# Altium PCB JTAG-批量下载V06.PcbDoc (part 13 of 13) (continued)
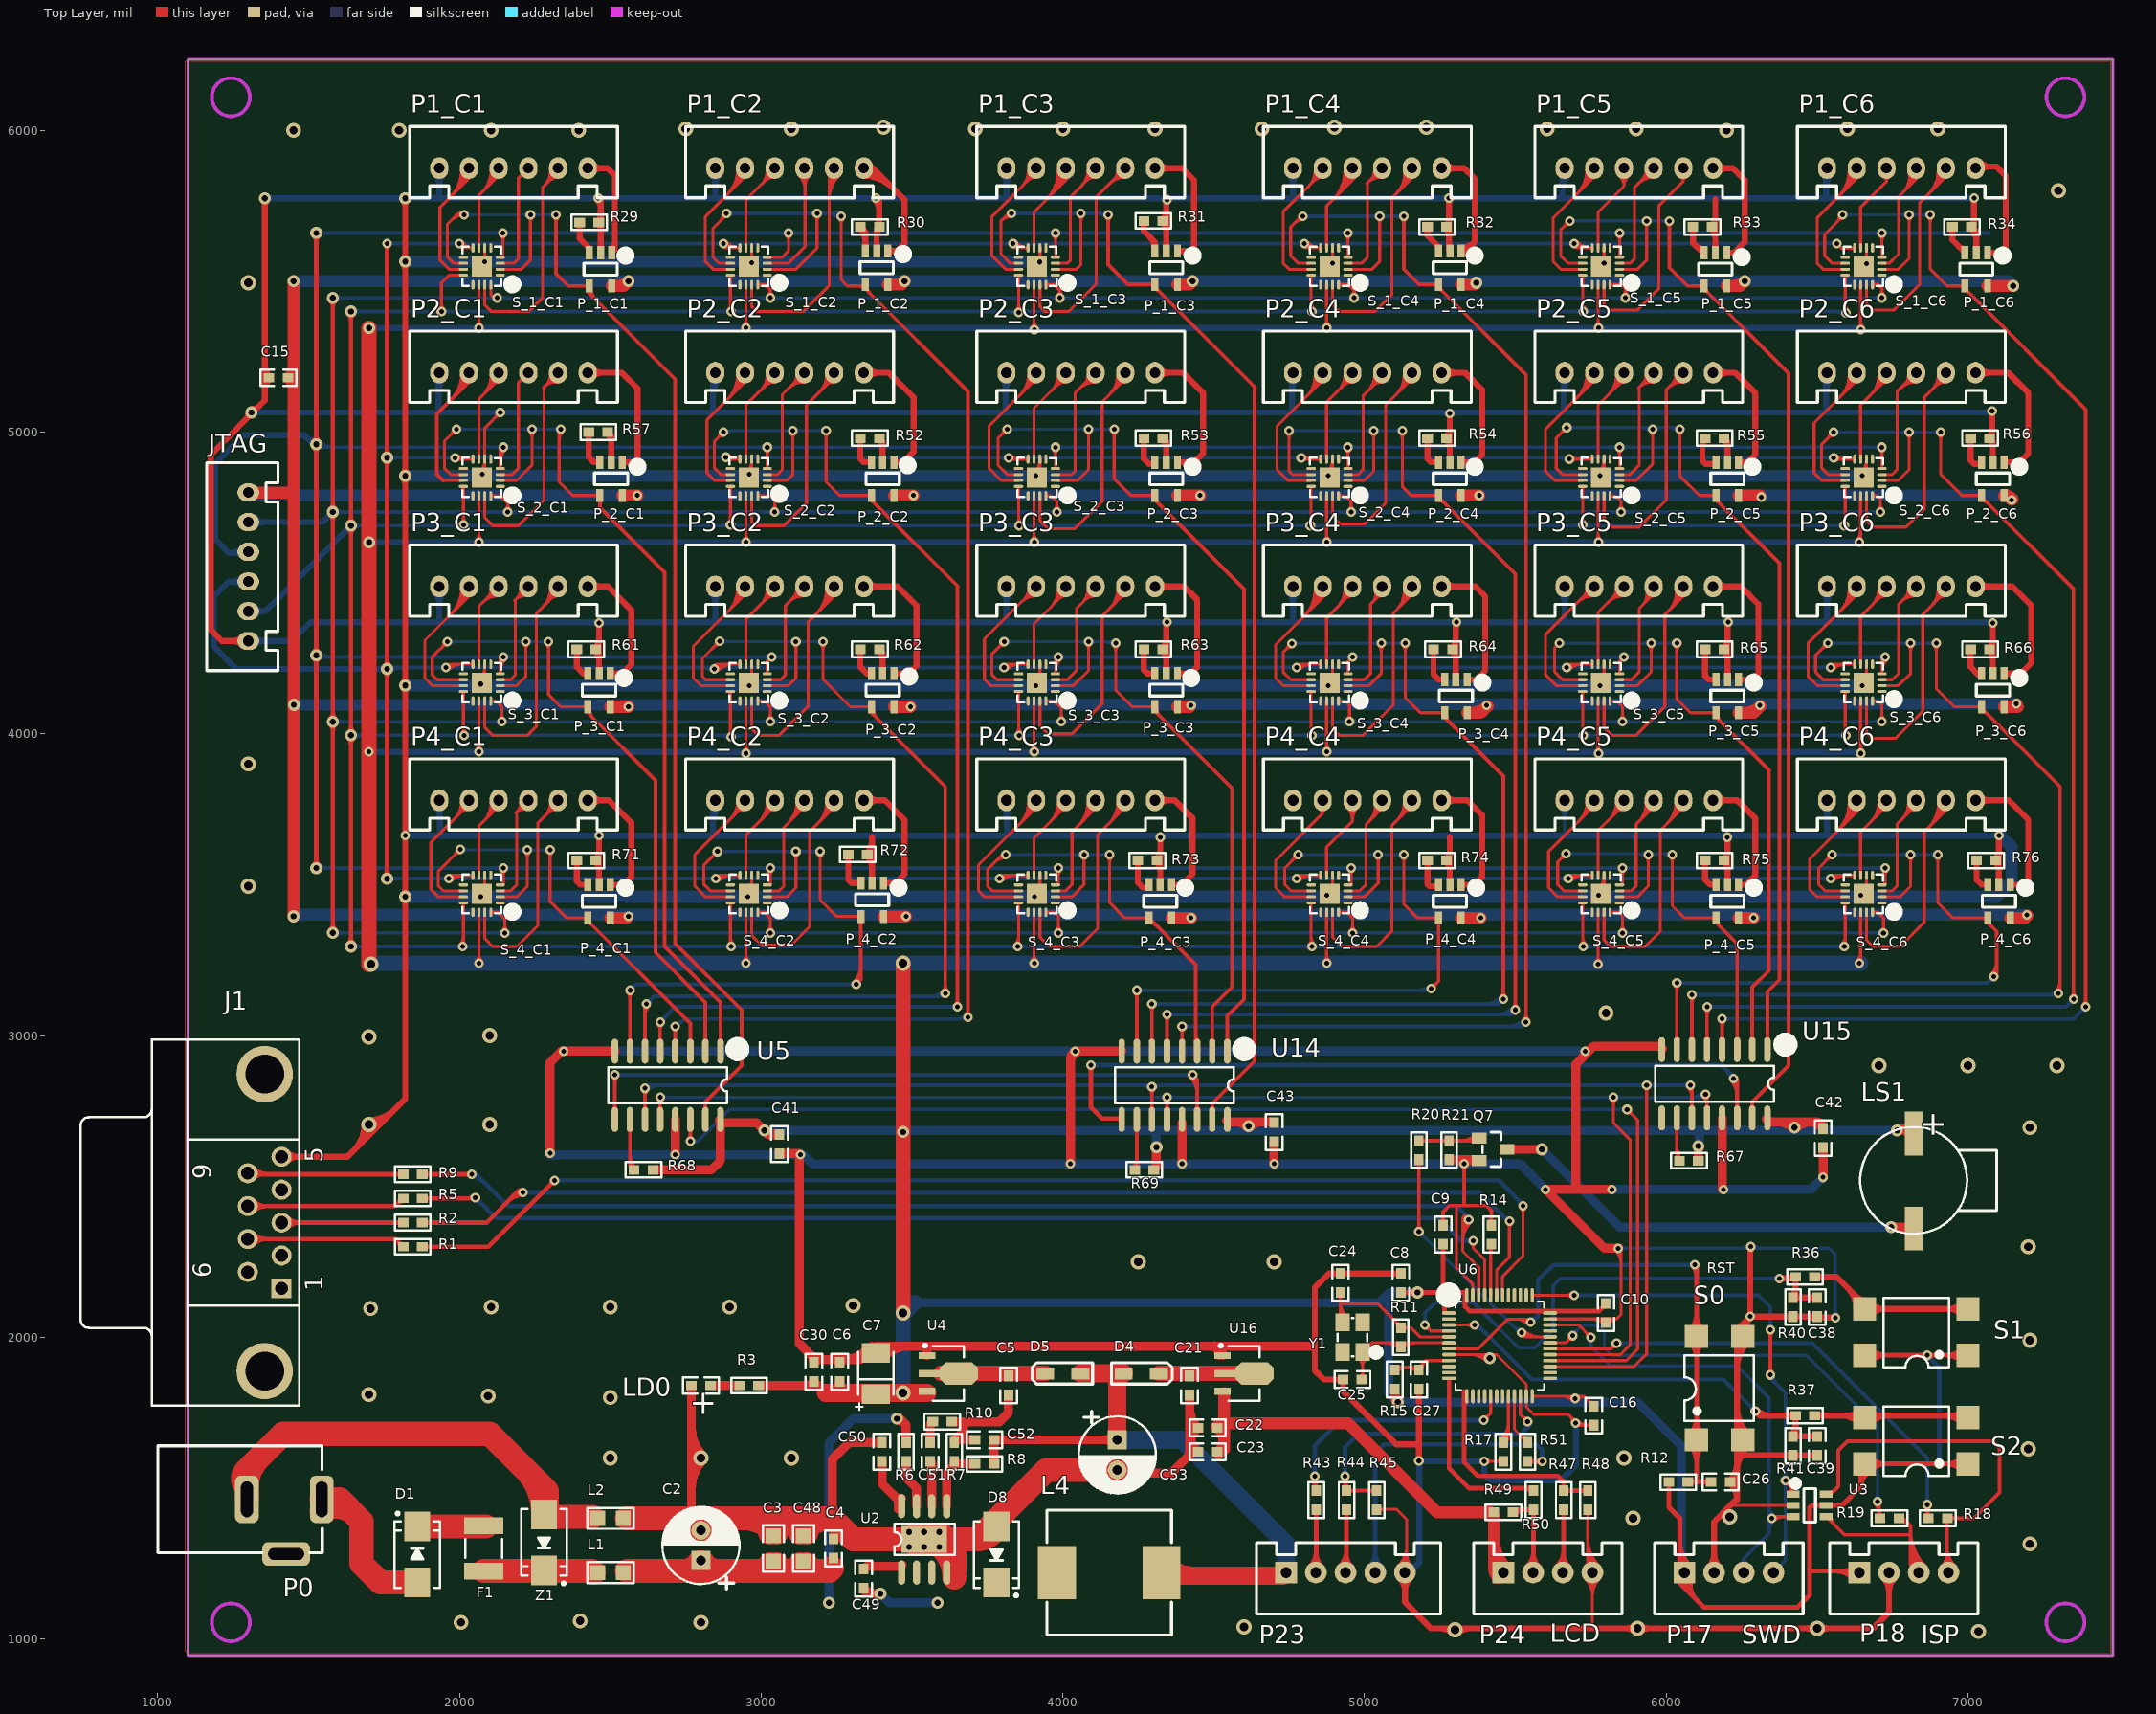
[diagram p0: Top Layer view]
## Nets (pads, with @x,y where several pads share a name; then routed paths per layer and width w, separated by ;. In a path a pad name is that pad's centre, name@x,y a point inside that pad or via, vN(x,y) a via of type N, cw(c..) or ccw(c..) an arc to the next point about the centre after c; other vN are vias at no path point) (continued)
TDO_4_C3: P4_C3.2 S_4_C3.15 | length 1353.8
  Top Layer w10: S_4_C3.15@3923.82,3408.5 3923.82,3326.18 3955,3295 4055,3295 4115,3355 4115,3665 P4_C3.2@4215,3765 ; 4151.91,3701.91 ccw(c4080.29,3773.53) P4_C3.2@4181.57,3773.53 ; 4151.91,3701.91 ccw(c4080.29,3773.53) P4_C3.2@4181.57,3773.53 ; 4151.91,3701.91 ccw(c4080.29,3773.53) P4_C3.2@4181.57,3773.53 ; 4168.98,3718.98 ccw(c4114.43,3773.53) P4_C3.2@4191.57,3773.53 ; 4168.98,3718.98 ccw(c4114.43,3773.53) P4_C3.2@4191.57,3773.53 ; 4168.98,3718.98 ccw(c4114.43,3773.53) P4_C3.2@4191.57,3773.53 ; 4186.05,3736.05 ccw(c4148.57,3773.53) P4_C3.2@4201.57,3773.53 ; 4186.05,3736.05 ccw(c4148.57,3773.53) P4_C3.2@4201.57,3773.53 ; 4186.05,3736.05 ccw(c4148.57,3773.53) P4_C3.2@4201.57,3773.53 ; 4192.84,3742.84 cw(c4206.57,3729.1) P4_C3.2@4206.57,3748.53 ; 4192.84,3742.84 cw(c4206.57,3729.1) P4_C3.2@4206.57,3748.53 ; 4192.84,3742.84 cw(c4206.57,3729.1) P4_C3.2@4206.57,3748.53
TDO_4_C4: P4_C4.2 S_4_C4.15 | length 1302.4
  Top Layer w10: S_4_C4.15@4893.82,3408.5 4893.82,3326.18 4925,3295 5040,3295 5090,3345 5090,3695 P4_C4.2@5165,3770 ; 5105.44,3710.44 ccw(c5042.36,3773.53) P4_C4.2@5131.57,3773.53 ; 5105.44,3710.44 ccw(c5042.36,3773.53) P4_C4.2@5131.57,3773.53 ; 5105.44,3710.44 ccw(c5042.36,3773.53) P4_C4.2@5131.57,3773.53 ; 5122.51,3727.51 ccw(c5076.5,3773.53) P4_C4.2@5141.57,3773.53 ; 5122.51,3727.51 ccw(c5076.5,3773.53) P4_C4.2@5141.57,3773.53 ; 5122.51,3727.51 ccw(c5076.5,3773.53) P4_C4.2@5141.57,3773.53 ; 5134.3,3739.3 cw(c5156.57,3717.03) P4_C4.2@5156.57,3748.53 ; 5134.3,3739.3 cw(c5156.57,3717.03) P4_C4.2@5156.57,3748.53 ; 5134.3,3739.3 cw(c5156.57,3717.03) P4_C4.2@5156.57,3748.53 ; 5139.59,3744.59 ccw(c5110.64,3773.53) P4_C4.2@5151.57,3773.53 ; 5139.59,3744.59 ccw(c5110.64,3773.53) P4_C4.2@5151.57,3773.53 ; 5139.59,3744.59 ccw(c5110.64,3773.53) P4_C4.2@5151.57,3773.53
TDO_4_C5: P4_C5.2 S_4_C5.15 | length 1361.3
  Top Layer w10: S_4_C5.15@5793.82,3408.5 5793.82,3316.18 5815,3295 5930,3295 5980,3345 5980,3680 P4_C5.2@6070,3770 ; 6001.91,3701.91 ccw(c5930.29,3773.53) P4_C5.2@6031.57,3773.53 ; 6001.91,3701.91 ccw(c5930.29,3773.53) P4_C5.2@6031.57,3773.53 ; 6001.91,3701.91 ccw(c5930.29,3773.53) P4_C5.2@6031.57,3773.53 ; 6018.98,3718.98 ccw(c5964.43,3773.53) P4_C5.2@6041.57,3773.53 ; 6018.98,3718.98 ccw(c5964.43,3773.53) P4_C5.2@6041.57,3773.53 ; 6018.98,3718.98 ccw(c5964.43,3773.53) P4_C5.2@6041.57,3773.53 ; 6036.05,3736.05 ccw(c5998.57,3773.53) P4_C5.2@6051.57,3773.53 ; 6036.05,3736.05 ccw(c5998.57,3773.53) P4_C5.2@6051.57,3773.53 ; 6036.05,3736.05 ccw(c5998.57,3773.53) P4_C5.2@6051.57,3773.53 ; 6042.84,3742.84 cw(c6056.57,3729.1) P4_C5.2@6056.57,3748.53 ; 6042.84,3742.84 cw(c6056.57,3729.1) P4_C5.2@6056.57,3748.53 ; 6042.84,3742.84 cw(c6056.57,3729.1) P4_C5.2@6056.57,3748.53
TDO_4_C6: P4_C6.2 S_4_C6.15 | length 1552.9
  Top Layer w10: S_4_C6.15@6663.82,3408.5 6663.82,3316.18 6685,3295 6775,3295 6855,3375 6855,3675 P4_C6.2@6945,3765 ; 6868.48,3688.48 ccw(c6788.37,3768.59) P4_C6.2@6901.59,3772.63 ; 6868.48,3688.48 ccw(c6788.37,3768.59) P4_C6.2@6901.59,3772.63 ; 6868.48,3688.48 ccw(c6788.37,3768.59) P4_C6.2@6901.59,3772.63 ; 6884.72,3704.72 ccw(c6819.74,3769.71) P4_C6.2@6911.58,3772.99 ; 6884.72,3704.72 ccw(c6819.74,3769.71) P4_C6.2@6911.58,3772.99 ; 6884.72,3704.72 ccw(c6819.74,3769.71) P4_C6.2@6911.58,3772.99 ; 6900.97,3720.97 ccw(c6851.11,3770.83) P4_C6.2@6921.58,3773.35 ; 6900.97,3720.97 ccw(c6851.11,3770.83) P4_C6.2@6921.58,3773.35 ; 6900.97,3720.97 ccw(c6851.11,3770.83) P4_C6.2@6921.58,3773.35 ; 6917.21,3737.21 ccw(c6882.47,3771.95) P4_C6.2@6931.57,3773.71 ; 6917.21,3737.21 ccw(c6882.47,3771.95) P4_C6.2@6931.57,3773.71 ; 6917.21,3737.21 ccw(c6882.47,3771.95) P4_C6.2@6931.57,3773.71
TMS_1_C1: P1_C1.5 S_1_C1.11 | length 1293.2
  Top Layer w10: S_1_C1.11@2012.95,5539.68 1965.32,5539.68 1935,5570 1935,5745 2031.3,5841.3 P1_C1.5@2031.3,5875 ; 1969.04,5779.04 ccw(c1879.07,5869) P1_C1.5@2006.3,5869 ; 1969.04,5779.04 ccw(c1879.07,5869) P1_C1.5@2006.3,5869 ; 1969.04,5779.04 ccw(c1879.07,5869) P1_C1.5@2006.3,5869 ; 1986.11,5796.11 ccw(c1913.21,5869) P1_C1.5@2016.3,5869 ; 1986.11,5796.11 ccw(c1913.21,5869) P1_C1.5@2016.3,5869 ; 1986.11,5796.11 ccw(c1913.21,5869) P1_C1.5@2016.3,5869 ; 2003.18,5813.18 ccw(c1947.36,5869) P1_C1.5@2026.3,5869 ; 2003.18,5813.18 ccw(c1947.36,5869) P1_C1.5@2026.3,5869 ; 2003.18,5813.18 ccw(c1947.36,5869) P1_C1.5@2026.3,5869 ; 2020.25,5830.25 ccw(c1981.5,5869) P1_C1.5@2036.3,5869 ; 2020.25,5830.25 ccw(c1981.5,5869) P1_C1.5@2036.3,5869 ; 2020.25,5830.25 ccw(c1981.5,5869) P1_C1.5@2036.3,5869
TMS_1_C2: P1_C2.5 S_1_C2.11 | length 1201.9
  Top Layer w10: S_1_C2.11@2897.95,5539.68 2840.32,5539.68 2815,5565 2815,5715 2946.3,5846.3 P1_C2.5@2946.3,5875 ; 2887.57,5787.57 ccw(c2806.14,5869) P1_C2.5@2921.3,5869 ; 2887.57,5787.57 ccw(c2806.14,5869) P1_C2.5@2921.3,5869 ; 2887.57,5787.57 ccw(c2806.14,5869) P1_C2.5@2921.3,5869 ; 2904.64,5804.64 ccw(c2840.28,5869) P1_C2.5@2931.3,5869 ; 2904.64,5804.64 ccw(c2840.28,5869) P1_C2.5@2931.3,5869 ; 2904.64,5804.64 ccw(c2840.28,5869) P1_C2.5@2931.3,5869 ; 2921.71,5821.71 ccw(c2874.43,5869) P1_C2.5@2941.3,5869 ; 2921.71,5821.71 ccw(c2874.43,5869) P1_C2.5@2941.3,5869 ; 2921.71,5821.71 ccw(c2874.43,5869) P1_C2.5@2941.3,5869 ; 2938.78,5838.78 ccw(c2908.57,5869) P1_C2.5@2951.3,5869 ; 2938.78,5838.78 ccw(c2908.57,5869) P1_C2.5@2951.3,5869 ; 2938.78,5838.78 ccw(c2908.57,5869) P1_C2.5@2951.3,5869
TMS_1_C3: P1_C3.5 S_1_C3.11 | length 870.9
  Top Layer w10: S_1_C3.11@3852.95,5539.68 3810.32,5539.68 3765,5585 3765,5715 3911.3,5861.3 P1_C3.5@3911.3,5875 ; 3863.18,5813.18 ccw(c3807.36,5869) P1_C3.5@3886.3,5869 ; 3863.18,5813.18 ccw(c3807.36,5869) P1_C3.5@3886.3,5869 ; 3863.18,5813.18 ccw(c3807.36,5869) P1_C3.5@3886.3,5869 ; 3880.25,5830.25 ccw(c3841.5,5869) P1_C3.5@3896.3,5869 ; 3880.25,5830.25 ccw(c3841.5,5869) P1_C3.5@3896.3,5869 ; 3880.25,5830.25 ccw(c3841.5,5869) P1_C3.5@3896.3,5869 ; 3881.77,5831.77 cw(c3911.3,5802.23) P1_C3.5@3911.3,5844 ; 3881.77,5831.77 cw(c3911.3,5802.23) P1_C3.5@3911.3,5844 ; 3881.77,5831.77 cw(c3911.3,5802.23) P1_C3.5@3911.3,5844
TMS_1_C4: P1_C4.5 S_1_C4.11 | length 884.3
  Top Layer w10: S_1_C4.11@4822.95,5539.68 4750.32,5539.68 4730,5560 4730,5730 4861.3,5861.3 P1_C4.5@4861.3,5875 ; 4813.18,5813.18 ccw(c4757.36,5869) P1_C4.5@4836.3,5869 ; 4813.18,5813.18 ccw(c4757.36,5869) P1_C4.5@4836.3,5869 ; 4813.18,5813.18 ccw(c4757.36,5869) P1_C4.5@4836.3,5869 ; 4830.25,5830.25 ccw(c4791.5,5869) P1_C4.5@4846.3,5869 ; 4830.25,5830.25 ccw(c4791.5,5869) P1_C4.5@4846.3,5869 ; 4830.25,5830.25 ccw(c4791.5,5869) P1_C4.5@4846.3,5869 ; 4831.77,5831.77 cw(c4861.3,5802.23) P1_C4.5@4861.3,5844 ; 4831.77,5831.77 cw(c4861.3,5802.23) P1_C4.5@4861.3,5844 ; 4831.77,5831.77 cw(c4861.3,5802.23) P1_C4.5@4861.3,5844
TMS_1_C5: P1_C5.5 S_1_C5.11 | length 1218.9
  Top Layer w10: S_1_C5.11@5722.95,5539.68 5650.32,5539.68 5625,5565 5625,5710 5761.3,5846.3 P1_C5.5@5761.3,5875 ; 5702.57,5787.57 ccw(c5621.14,5869) P1_C5.5@5736.3,5869 ; 5702.57,5787.57 ccw(c5621.14,5869) P1_C5.5@5736.3,5869 ; 5702.57,5787.57 ccw(c5621.14,5869) P1_C5.5@5736.3,5869 ; 5719.64,5804.64 ccw(c5655.28,5869) P1_C5.5@5746.3,5869 ; 5719.64,5804.64 ccw(c5655.28,5869) P1_C5.5@5746.3,5869 ; 5719.64,5804.64 ccw(c5655.28,5869) P1_C5.5@5746.3,5869 ; 5736.71,5821.71 ccw(c5689.43,5869) P1_C5.5@5756.3,5869 ; 5736.71,5821.71 ccw(c5689.43,5869) P1_C5.5@5756.3,5869 ; 5736.71,5821.71 ccw(c5689.43,5869) P1_C5.5@5756.3,5869 ; 5753.78,5838.78 ccw(c5723.57,5869) P1_C5.5@5766.3,5869 ; 5753.78,5838.78 ccw(c5723.57,5869) P1_C5.5@5766.3,5869 ; 5753.78,5838.78 ccw(c5723.57,5869) P1_C5.5@5766.3,5869
TMS_1_C6: P1_C6.5 S_1_C6.11 | length 1328.6
  Top Layer w10: S_1_C6.11@6592.95,5539.68 6520.32,5539.68 6500,5560 6500,5710 6631.3,5841.3 P1_C6.5@6631.3,5875 ; 6569.04,5779.04 ccw(c6479.07,5869) P1_C6.5@6606.3,5869 ; 6569.04,5779.04 ccw(c6479.07,5869) P1_C6.5@6606.3,5869 ; 6569.04,5779.04 ccw(c6479.07,5869) P1_C6.5@6606.3,5869 ; 6586.11,5796.11 ccw(c6513.21,5869) P1_C6.5@6616.3,5869 ; 6586.11,5796.11 ccw(c6513.21,5869) P1_C6.5@6616.3,5869 ; 6586.11,5796.11 ccw(c6513.21,5869) P1_C6.5@6616.3,5869 ; 6603.18,5813.18 ccw(c6547.36,5869) P1_C6.5@6626.3,5869 ; 6603.18,5813.18 ccw(c6547.36,5869) P1_C6.5@6626.3,5869 ; 6603.18,5813.18 ccw(c6547.36,5869) P1_C6.5@6626.3,5869 ; 6620.25,5830.25 ccw(c6581.5,5869) P1_C6.5@6636.3,5869 ; 6620.25,5830.25 ccw(c6581.5,5869) P1_C6.5@6636.3,5869 ; 6620.25,5830.25 ccw(c6581.5,5869) P1_C6.5@6636.3,5869
TMS_2_C1: P2_C1.5 S_2_C1.11 | length 1101
  Top Layer w10: 1945.32,4839.68 S_2_C1.11@2012.95,4839.68
  Top Layer w12: 1945.32,4839.68 1925,4860 1925,5060 2031.3,5166.3 P2_C1.5@2031.3,5196.85 ; 1972.97,5107.97 ccw(c1890.09,5190.85) P2_C1.5@2007.3,5190.85 ; 1972.97,5107.97 ccw(c1890.09,5190.85) P2_C1.5@2007.3,5190.85 ; 1972.97,5107.97 ccw(c1890.09,5190.85) P2_C1.5@2007.3,5190.85 ; 1993.45,5128.45 ccw(c1931.06,5190.85) P2_C1.5@2019.3,5190.85 ; 1993.45,5128.45 ccw(c1931.06,5190.85) P2_C1.5@2019.3,5190.85 ; 1993.45,5128.45 ccw(c1931.06,5190.85) P2_C1.5@2019.3,5190.85 ; 2013.94,5148.94 ccw(c1972.03,5190.85) P2_C1.5@2031.3,5190.85 ; 2013.94,5148.94 ccw(c1972.03,5190.85) P2_C1.5@2031.3,5190.85 ; 2013.94,5148.94 ccw(c1972.03,5190.85) P2_C1.5@2031.3,5190.85
TMS_2_C2: P2_C2.5 S_2_C2.11 | length 1258.7
  Top Layer w10: S_2_C2.11@2897.95,4839.68 2845.32,4839.68 2820,4865 2820,5040 2946.3,5166.3 P2_C2.5@2946.3,5196.85 ; 2886.26,5106.26 ccw(c2801.67,5190.85) P2_C2.5@2921.3,5190.85 ; 2886.26,5106.26 ccw(c2801.67,5190.85) P2_C2.5@2921.3,5190.85 ; 2886.26,5106.26 ccw(c2801.67,5190.85) P2_C2.5@2921.3,5190.85 ; 2903.33,5123.33 ccw(c2835.82,5190.85) P2_C2.5@2931.3,5190.85 ; 2903.33,5123.33 ccw(c2835.82,5190.85) P2_C2.5@2931.3,5190.85 ; 2903.33,5123.33 ccw(c2835.82,5190.85) P2_C2.5@2931.3,5190.85 ; 2920.4,5140.4 ccw(c2869.96,5190.85) P2_C2.5@2941.3,5190.85 ; 2920.4,5140.4 ccw(c2869.96,5190.85) P2_C2.5@2941.3,5190.85 ; 2920.4,5140.4 ccw(c2869.96,5190.85) P2_C2.5@2941.3,5190.85 ; 2937.48,5157.48 ccw(c2904.1,5190.85) P2_C2.5@2951.3,5190.85 ; 2937.48,5157.48 ccw(c2904.1,5190.85) P2_C2.5@2951.3,5190.85 ; 2937.48,5157.48 ccw(c2904.1,5190.85) P2_C2.5@2951.3,5190.85
TMS_2_C3: P2_C3.5 S_2_C3.11 | length 1060
  Top Layer w10: S_2_C3.11@3852.95,4839.68 3795.32,4839.68 3755,4880 3755,5020 3911.3,5176.3 P2_C3.5@3911.3,5196.85 ; 3858.33,5123.33 ccw(c3790.82,5190.85) P2_C3.5@3886.3,5190.85 ; 3858.33,5123.33 ccw(c3790.82,5190.85) P2_C3.5@3886.3,5190.85 ; 3858.33,5123.33 ccw(c3790.82,5190.85) P2_C3.5@3886.3,5190.85 ; 3875.4,5140.4 ccw(c3824.96,5190.85) P2_C3.5@3896.3,5190.85 ; 3875.4,5140.4 ccw(c3824.96,5190.85) P2_C3.5@3896.3,5190.85 ; 3875.4,5140.4 ccw(c3824.96,5190.85) P2_C3.5@3896.3,5190.85 ; 3892.48,5157.48 ccw(c3859.1,5190.85) P2_C3.5@3906.3,5190.85 ; 3892.48,5157.48 ccw(c3859.1,5190.85) P2_C3.5@3906.3,5190.85 ; 3892.48,5157.48 ccw(c3859.1,5190.85) P2_C3.5@3906.3,5190.85 ; 3893.46,5158.46 cw(c3911.3,5140.62) P2_C3.5@3911.3,5165.85 ; 3893.46,5158.46 cw(c3911.3,5140.62) P2_C3.5@3911.3,5165.85 ; 3893.46,5158.46 cw(c3911.3,5140.62) P2_C3.5@3911.3,5165.85
TMS_2_C4: P2_C4.5 S_2_C4.11 | length 1132.7
  Top Layer w10: S_2_C4.11@4822.95,4839.68 4745.32,4839.68 4710,4875 4710,5020 4861.3,5171.3 P2_C4.5@4861.3,5196.85 ; 4804.8,5114.8 ccw(c4728.75,5190.85) P2_C4.5@4836.3,5190.85 ; 4804.8,5114.8 ccw(c4728.75,5190.85) P2_C4.5@4836.3,5190.85 ; 4804.8,5114.8 ccw(c4728.75,5190.85) P2_C4.5@4836.3,5190.85 ; 4821.87,5131.87 ccw(c4762.89,5190.85) P2_C4.5@4846.3,5190.85 ; 4821.87,5131.87 ccw(c4762.89,5190.85) P2_C4.5@4846.3,5190.85 ; 4821.87,5131.87 ccw(c4762.89,5190.85) P2_C4.5@4846.3,5190.85 ; 4838.94,5148.94 ccw(c4797.03,5190.85) P2_C4.5@4856.3,5190.85 ; 4838.94,5148.94 ccw(c4797.03,5190.85) P2_C4.5@4856.3,5190.85 ; 4838.94,5148.94 ccw(c4797.03,5190.85) P2_C4.5@4856.3,5190.85 ; 4852,5162 cw(c4861.3,5152.69) P2_C4.5@4861.3,5165.85 ; 4852,5162 cw(c4861.3,5152.69) P2_C4.5@4861.3,5165.85 ; 4852,5162 cw(c4861.3,5152.69) P2_C4.5@4861.3,5165.85
TMS_2_C5: P2_C5.5 S_2_C5.11 | length 1159.5
  Top Layer w10: S_2_C5.11@5722.95,4839.68 5630.32,4839.68 5600,4870 5600,5010 5765,5175 P2_C5.5@5765,5205 ; 5704.8,5114.8 ccw(c5628.75,5190.85) P2_C5.5@5736.3,5190.85 ; 5704.8,5114.8 ccw(c5628.75,5190.85) P2_C5.5@5736.3,5190.85 ; 5704.8,5114.8 ccw(c5628.75,5190.85) P2_C5.5@5736.3,5190.85 ; 5721.87,5131.87 ccw(c5662.89,5190.85) P2_C5.5@5746.3,5190.85 ; 5721.87,5131.87 ccw(c5662.89,5190.85) P2_C5.5@5746.3,5190.85 ; 5721.87,5131.87 ccw(c5662.89,5190.85) P2_C5.5@5746.3,5190.85 ; 5738.94,5148.94 ccw(c5697.03,5190.85) P2_C5.5@5756.3,5190.85 ; 5738.94,5148.94 ccw(c5697.03,5190.85) P2_C5.5@5756.3,5190.85 ; 5738.94,5148.94 ccw(c5697.03,5190.85) P2_C5.5@5756.3,5190.85 ; 5752,5162 cw(c5761.3,5152.69) P2_C5.5@5761.3,5165.85 ; 5752,5162 cw(c5761.3,5152.69) P2_C5.5@5761.3,5165.85 ; 5752,5162 cw(c5761.3,5152.69) P2_C5.5@5761.3,5165.85
TMS_2_C6: P2_C6.5 S_2_C6.11 | length 1124.4
  Top Layer w10: S_2_C6.11@6592.95,4839.68 6515.32,4839.68 6490,4865 6490,5030 6631.3,5171.3 P2_C6.5@6631.3,5196.85 ; 6574.8,5114.8 ccw(c6498.75,5190.85) P2_C6.5@6606.3,5190.85 ; 6574.8,5114.8 ccw(c6498.75,5190.85) P2_C6.5@6606.3,5190.85 ; 6574.8,5114.8 ccw(c6498.75,5190.85) P2_C6.5@6606.3,5190.85 ; 6591.87,5131.87 ccw(c6532.89,5190.85) P2_C6.5@6616.3,5190.85 ; 6591.87,5131.87 ccw(c6532.89,5190.85) P2_C6.5@6616.3,5190.85 ; 6591.87,5131.87 ccw(c6532.89,5190.85) P2_C6.5@6616.3,5190.85 ; 6608.94,5148.94 ccw(c6567.03,5190.85) P2_C6.5@6626.3,5190.85 ; 6608.94,5148.94 ccw(c6567.03,5190.85) P2_C6.5@6626.3,5190.85 ; 6608.94,5148.94 ccw(c6567.03,5190.85) P2_C6.5@6626.3,5190.85 ; 6622,5162 cw(c6631.3,5152.69) P2_C6.5@6631.3,5165.85 ; 6622,5162 cw(c6631.3,5152.69) P2_C6.5@6631.3,5165.85 ; 6622,5162 cw(c6631.3,5152.69) P2_C6.5@6631.3,5165.85
TMS_3_C1: P3_C1.5 S_3_C1.11 | length 1330.1
  Top Layer w10: S_3_C1.11@2012.95,4159.68 1910.32,4159.68 1885,4185 1885,4310 2030,4455 P3_C1.5@2030,4500 ; 1970.32,4395.32 ccw(c1883.44,4482.19) P3_C1.5@2006.3,4482.19 ; 1970.32,4395.32 ccw(c1883.44,4482.19) P3_C1.5@2006.3,4482.19 ; 1970.32,4395.32 ccw(c1883.44,4482.19) P3_C1.5@2006.3,4482.19 ; 1987.39,4412.39 ccw(c1917.59,4482.19) P3_C1.5@2016.3,4482.19 ; 1987.39,4412.39 ccw(c1917.59,4482.19) P3_C1.5@2016.3,4482.19 ; 1987.39,4412.39 ccw(c1917.59,4482.19) P3_C1.5@2016.3,4482.19 ; 2004.46,4429.46 ccw(c1951.73,4482.19) P3_C1.5@2026.3,4482.19 ; 2004.46,4429.46 ccw(c1951.73,4482.19) P3_C1.5@2026.3,4482.19 ; 2004.46,4429.46 ccw(c1951.73,4482.19) P3_C1.5@2026.3,4482.19 ; 2021.53,4446.53 ccw(c1985.87,4482.19) P3_C1.5@2036.3,4482.19 ; 2021.53,4446.53 ccw(c1985.87,4482.19) P3_C1.5@2036.3,4482.19 ; 2021.53,4446.53 ccw(c1985.87,4482.19) P3_C1.5@2036.3,4482.19
TMS_3_C2: P3_C2.5 S_3_C2.11 | length 1120
  Top Layer w10: S_3_C2.11@2897.95,4159.68 2800.32,4159.68 2775,4185 2775,4290 2946.3,4461.3 P3_C2.5@2946.3,4488.19 ; 2888.85,4403.85 ccw(c2810.51,4482.19) P3_C2.5@2921.3,4482.19 ; 2888.85,4403.85 ccw(c2810.51,4482.19) P3_C2.5@2921.3,4482.19 ; 2888.85,4403.85 ccw(c2810.51,4482.19) P3_C2.5@2921.3,4482.19 ; 2905.92,4420.92 ccw(c2844.66,4482.19) P3_C2.5@2931.3,4482.19 ; 2905.92,4420.92 ccw(c2844.66,4482.19) P3_C2.5@2931.3,4482.19 ; 2905.92,4420.92 ccw(c2844.66,4482.19) P3_C2.5@2931.3,4482.19 ; 2922.99,4437.99 ccw(c2878.8,4482.19) P3_C2.5@2941.3,4482.19 ; 2922.99,4437.99 ccw(c2878.8,4482.19) P3_C2.5@2941.3,4482.19 ; 2922.99,4437.99 ccw(c2878.8,4482.19) P3_C2.5@2941.3,4482.19
TMS_3_C3: P3_C3.5 S_3_C3.11 | length 893.6
  Top Layer w10: S_3_C3.11@3852.95,4159.68 3760.32,4159.68 3740,4180 3740,4315 3911.3,4486.3 P3_C3.5@3911.3,4488.19 ; 3861.6,4436.6 cw(c3911.3,4386.91) P3_C3.5@3911.3,4457.19 ; 3861.6,4436.6 cw(c3911.3,4386.91) P3_C3.5@3911.3,4457.19 ; 3861.6,4436.6 cw(c3911.3,4386.91) P3_C3.5@3911.3,4457.19 ; 3871.53,4446.53 ccw(c3835.87,4482.19) P3_C3.5@3886.3,4482.19 ; 3871.53,4446.53 ccw(c3835.87,4482.19) P3_C3.5@3886.3,4482.19 ; 3871.53,4446.53 ccw(c3835.87,4482.19) P3_C3.5@3886.3,4482.19 ; 3878.68,4453.68 cw(c3911.3,4421.05) P3_C3.5@3911.3,4467.19 ; 3878.68,4453.68 cw(c3911.3,4421.05) P3_C3.5@3911.3,4467.19 ; 3878.68,4453.68 cw(c3911.3,4421.05) P3_C3.5@3911.3,4467.19
TMS_3_C4: P3_C4.5 S_3_C4.11 | length 1426.7
  Top Layer w10: S_3_C4.11@4822.95,4159.68 4730.32,4159.68 4705,4185 4705,4295 4861.3,4451.3 P3_C4.5@4861.3,4488.19 ; 4796.78,4386.78 ccw(c4701.37,4482.19) P3_C4.5@4836.3,4482.19 ; 4796.78,4386.78 ccw(c4701.37,4482.19) P3_C4.5@4836.3,4482.19 ; 4796.78,4386.78 ccw(c4701.37,4482.19) P3_C4.5@4836.3,4482.19 ; 4813.85,4403.85 ccw(c4735.51,4482.19) P3_C4.5@4846.3,4482.19 ; 4813.85,4403.85 ccw(c4735.51,4482.19) P3_C4.5@4846.3,4482.19 ; 4813.85,4403.85 ccw(c4735.51,4482.19) P3_C4.5@4846.3,4482.19 ; 4830.92,4420.92 ccw(c4769.66,4482.19) P3_C4.5@4856.3,4482.19 ; 4830.92,4420.92 ccw(c4769.66,4482.19) P3_C4.5@4856.3,4482.19 ; 4830.92,4420.92 ccw(c4769.66,4482.19) P3_C4.5@4856.3,4482.19 ; 4847.99,4437.99 ccw(c4803.8,4482.19) P3_C4.5@4866.3,4482.19 ; 4847.99,4437.99 ccw(c4803.8,4482.19) P3_C4.5@4866.3,4482.19 ; 4847.99,4437.99 ccw(c4803.8,4482.19) P3_C4.5@4866.3,4482.19
TMS_3_C5: P3_C5.5 S_3_C5.11 | length 917.9
  Top Layer w10: S_3_C5.11@5722.95,4159.68 5635.32,4159.68 5600,4195 5600,4330 P3_C5.5@5758.19,4488.19 ; 5703.07,4433.07 cw(c5761.3,4374.84) P3_C5.5@5761.3,4457.19 ; 5703.07,4433.07 cw(c5761.3,4374.84) P3_C5.5@5761.3,4457.19 ; 5703.07,4433.07 cw(c5761.3,4374.84) P3_C5.5@5761.3,4457.19 ; 5720.14,4450.14 cw(c5761.3,4408.98) P3_C5.5@5761.3,4467.19 ; 5720.14,4450.14 cw(c5761.3,4408.98) P3_C5.5@5761.3,4467.19 ; 5720.14,4450.14 cw(c5761.3,4408.98) P3_C5.5@5761.3,4467.19 ; 5725.06,4455.06 ccw(c5697.94,4482.19) P3_C5.5@5736.3,4482.19 ; 5725.06,4455.06 ccw(c5697.94,4482.19) P3_C5.5@5736.3,4482.19 ; 5725.06,4455.06 ccw(c5697.94,4482.19) P3_C5.5@5736.3,4482.19
TMS_3_C6: P3_C6.5 S_3_C6.11 | length 1113
  Top Layer w10: S_3_C6.11@6592.95,4159.68 6500.32,4159.68 6470,4190 6470,4300 6631.3,4461.3 P3_C6.5@6631.3,4488.19 ; 6573.85,4403.85 ccw(c6495.51,4482.19) P3_C6.5@6606.3,4482.19 ; 6573.85,4403.85 ccw(c6495.51,4482.19) P3_C6.5@6606.3,4482.19 ; 6573.85,4403.85 ccw(c6495.51,4482.19) P3_C6.5@6606.3,4482.19 ; 6590.92,4420.92 ccw(c6529.66,4482.19) P3_C6.5@6616.3,4482.19 ; 6590.92,4420.92 ccw(c6529.66,4482.19) P3_C6.5@6616.3,4482.19 ; 6590.92,4420.92 ccw(c6529.66,4482.19) P3_C6.5@6616.3,4482.19 ; 6607.99,4437.99 ccw(c6563.8,4482.19) P3_C6.5@6626.3,4482.19 ; 6607.99,4437.99 ccw(c6563.8,4482.19) P3_C6.5@6626.3,4482.19 ; 6607.99,4437.99 ccw(c6563.8,4482.19) P3_C6.5@6626.3,4482.19
TMS_4_C1: P4_C1.5 S_4_C1.11 | length 868.1
  Top Layer w10: S_4_C1.11@2012.95,3459.68 1930.32,3459.68 1905,3485 1905,3640 P4_C1.5@2035,3770 ; 1983.51,3718.51 ccw(c1928.5,3773.53) P4_C1.5@2006.3,3773.53 ; 1983.51,3718.51 ccw(c1928.5,3773.53) P4_C1.5@2006.3,3773.53 ; 1983.51,3718.51 ccw(c1928.5,3773.53) P4_C1.5@2006.3,3773.53 ; 2000.58,3735.58 ccw(c1962.64,3773.53) P4_C1.5@2016.3,3773.53 ; 2000.58,3735.58 ccw(c1962.64,3773.53) P4_C1.5@2016.3,3773.53 ; 2000.58,3735.58 ccw(c1962.64,3773.53) P4_C1.5@2016.3,3773.53 ; 2000.96,3735.96 cw(c2031.3,3705.62) P4_C1.5@2031.3,3748.53 ; 2000.96,3735.96 cw(c2031.3,3705.62) P4_C1.5@2031.3,3748.53 ; 2000.96,3735.96 cw(c2031.3,3705.62) P4_C1.5@2031.3,3748.53
TMS_4_C2: P4_C2.5 S_4_C2.11 | length 895.9
  Top Layer w10: S_4_C2.11@2897.95,3459.68 2815.32,3459.68 2780,3495 2780,3600 P4_C2.5@2955,3775 ; 2898.51,3718.51 ccw(c2843.5,3773.53) P4_C2.5@2921.3,3773.53 ; 2898.51,3718.51 ccw(c2843.5,3773.53) P4_C2.5@2921.3,3773.53 ; 2898.51,3718.51 ccw(c2843.5,3773.53) P4_C2.5@2921.3,3773.53 ; 2915.58,3735.58 ccw(c2877.64,3773.53) P4_C2.5@2931.3,3773.53 ; 2915.58,3735.58 ccw(c2877.64,3773.53) P4_C2.5@2931.3,3773.53 ; 2915.58,3735.58 ccw(c2877.64,3773.53) P4_C2.5@2931.3,3773.53 ; 2915.96,3735.96 cw(c2946.3,3705.62) P4_C2.5@2946.3,3748.53 ; 2915.96,3735.96 cw(c2946.3,3705.62) P4_C2.5@2946.3,3748.53 ; 2915.96,3735.96 cw(c2946.3,3705.62) P4_C2.5@2946.3,3748.53
TMS_4_C3: P4_C3.5 S_4_C3.11 | length 1114.3
  Top Layer w10: S_4_C3.11@3852.95,3459.68 3740.32,3459.68 3720,3480 3720,3565 3911.3,3756.3 P4_C3.5@3911.3,3779.53 ; 3856.44,3701.44 ccw(c3784.35,3773.53) P4_C3.5@3886.3,3773.53 ; 3856.44,3701.44 ccw(c3784.35,3773.53) P4_C3.5@3886.3,3773.53 ; 3856.44,3701.44 ccw(c3784.35,3773.53) P4_C3.5@3886.3,3773.53 ; 3873.51,3718.51 ccw(c3818.5,3773.53) P4_C3.5@3896.3,3773.53 ; 3873.51,3718.51 ccw(c3818.5,3773.53) P4_C3.5@3896.3,3773.53 ; 3873.51,3718.51 ccw(c3818.5,3773.53) P4_C3.5@3896.3,3773.53 ; 3890.58,3735.58 ccw(c3852.64,3773.53) P4_C3.5@3906.3,3773.53 ; 3890.58,3735.58 ccw(c3852.64,3773.53) P4_C3.5@3906.3,3773.53 ; 3890.58,3735.58 ccw(c3852.64,3773.53) P4_C3.5@3906.3,3773.53 ; 3898.03,3743.03 cw(c3911.3,3729.76) P4_C3.5@3911.3,3748.53 ; 3898.03,3743.03 cw(c3911.3,3729.76) P4_C3.5@3911.3,3748.53 ; 3898.03,3743.03 cw(c3911.3,3729.76) P4_C3.5@3911.3,3748.53
TMS_4_C4: P4_C4.5 S_4_C4.11 | length 613.8
  Top Layer w10: S_4_C4.11@4822.95,3459.68 4735.32,3459.68 4705,3490 4705,3580 4860,3735 ; P4_C4.5@4860,3790 4860,3735 ; P4_C4.5@4850.02,3751.22 cw(c4841.8,3734.98) 4860,3734.98 ; P4_C4.5@4850.02,3751.22 cw(c4841.8,3734.98) 4860,3734.98 ; P4_C4.5@4850.02,3751.22 cw(c4841.8,3734.98) 4860,3734.98 ; 4860,3734.98 cw(c4876.4,3734.98) P4_C4.5@4870.42,3750.25 ; 4860,3734.98 cw(c4876.4,3734.98) P4_C4.5@4870.42,3750.25 ; 4860,3734.98 cw(c4876.4,3734.98) P4_C4.5@4870.42,3750.25
TMS_4_C5: P4_C5.5 S_4_C5.11 | length 1015
  Top Layer w10: S_4_C5.11@5722.95,3459.68 5640.32,3459.68 5610,3490 5610,3610 5761.3,3761.3 P4_C5.5@5761.3,3779.53 ; 5709.98,3709.98 ccw(c5646.42,3773.53) P4_C5.5@5736.3,3773.53 ; 5709.98,3709.98 ccw(c5646.42,3773.53) P4_C5.5@5736.3,3773.53 ; 5709.98,3709.98 ccw(c5646.42,3773.53) P4_C5.5@5736.3,3773.53 ; 5727.05,3727.05 ccw(c5680.57,3773.53) P4_C5.5@5746.3,3773.53 ; 5727.05,3727.05 ccw(c5680.57,3773.53) P4_C5.5@5746.3,3773.53 ; 5727.05,3727.05 ccw(c5680.57,3773.53) P4_C5.5@5746.3,3773.53 ; 5739.5,3739.5 cw(c5761.3,3717.69) P4_C5.5@5761.3,3748.53 ; 5739.5,3739.5 cw(c5761.3,3717.69) P4_C5.5@5761.3,3748.53 ; 5739.5,3739.5 cw(c5761.3,3717.69) P4_C5.5@5761.3,3748.53 ; 5744.12,3744.12 ccw(c5714.71,3773.53) P4_C5.5@5756.3,3773.53 ; 5744.12,3744.12 ccw(c5714.71,3773.53) P4_C5.5@5756.3,3773.53 ; 5744.12,3744.12 ccw(c5714.71,3773.53) P4_C5.5@5756.3,3773.53
TMS_4_C6: P4_C6.5 S_4_C6.11 | length 1448.5
  Top Layer w10: S_4_C6.11@6592.95,3459.68 6500.32,3459.68 6475,3485 6475,3585 6631.3,3741.3 P4_C6.5@6631.3,3779.53 ; 6565.83,3675.83 ccw(c6468.14,3773.53) P4_C6.5@6606.3,3773.53 ; 6565.83,3675.83 ccw(c6468.14,3773.53) P4_C6.5@6606.3,3773.53 ; 6565.83,3675.83 ccw(c6468.14,3773.53) P4_C6.5@6606.3,3773.53 ; 6582.91,3692.91 ccw(c6502.28,3773.53) P4_C6.5@6616.3,3773.53 ; 6582.91,3692.91 ccw(c6502.28,3773.53) P4_C6.5@6616.3,3773.53 ; 6582.91,3692.91 ccw(c6502.28,3773.53) P4_C6.5@6616.3,3773.53 ; 6599.98,3709.98 ccw(c6536.42,3773.53) P4_C6.5@6626.3,3773.53 ; 6599.98,3709.98 ccw(c6536.42,3773.53) P4_C6.5@6626.3,3773.53 ; 6599.98,3709.98 ccw(c6536.42,3773.53) P4_C6.5@6626.3,3773.53 ; 6617.05,3727.05 ccw(c6570.57,3773.53) P4_C6.5@6636.3,3773.53 ; 6617.05,3727.05 ccw(c6570.57,3773.53) P4_C6.5@6636.3,3773.53 ; 6617.05,3727.05 ccw(c6570.57,3773.53) P4_C6.5@6636.3,3773.53
pads on no net: J1.2 J1.4 J1.6 J1.10 J1.11 P0.3 S_1_C1.1 S_1_C1.5 S_1_C1.9 S_1_C1.13 S_1_C2.1 S_1_C2.5 S_1_C2.9 S_1_C2.13 S_1_C3.1 S_1_C3.5 S_1_C3.9 S_1_C3.13 S_1_C4.1 S_1_C4.5 S_1_C4.9 S_1_C4.13 S_1_C5.1 S_1_C5.5 S_1_C5.9 S_1_C5.13 S_1_C6.1 S_1_C6.5 S_1_C6.9 S_1_C6.13 S_2_C1.1 S_2_C1.5 S_2_C1.9 S_2_C1.13 S_2_C2.1 S_2_C2.5 S_2_C2.9 S_2_C2.13 S_2_C3.1 S_2_C3.5 S_2_C3.9 S_2_C3.13 S_2_C4.1 S_2_C4.5 S_2_C4.9 S_2_C4.13 S_2_C5.1 S_2_C5.5 S_2_C5.9 S_2_C5.13 S_2_C6.1 S_2_C6.5 S_2_C6.9 S_2_C6.13 S_3_C1.1 S_3_C1.5 S_3_C1.9 S_3_C1.13 S_3_C2.1 S_3_C2.5 S_3_C2.9 S_3_C2.13 S_3_C3.1 S_3_C3.5 S_3_C3.9 S_3_C3.13 S_3_C4.1 S_3_C4.5 S_3_C4.9 S_3_C4.13 S_3_C5.1 S_3_C5.5 S_3_C5.9 S_3_C5.13 S_3_C6.1 S_3_C6.5 S_3_C6.9 S_3_C6.13 S_4_C1.1 S_4_C1.5 S_4_C1.9 S_4_C1.13 S_4_C2.1 S_4_C2.5 S_4_C2.9 S_4_C2.13 S_4_C3.1 S_4_C3.5 S_4_C3.9 S_4_C3.13 S_4_C4.1 S_4_C4.5 S_4_C4.9 S_4_C4.13 S_4_C5.1 S_4_C5.5 S_4_C5.9 S_4_C5.13 S_4_C6.1 S_4_C6.5 S_4_C6.9 S_4_C6.13 U6.2 U6.10 U6.11 U6.14 U6.15 U6.16 U6.18 U6.19 U6.25 U6.26 U6.33 U6.38 U6.39 U6.40 U6.41 U15.9 Y1.2 Y1.4

## Polygon pours and split planes (outlines as drawn)
GND on Top Layer "Top Layer-No Net" (solid, remove dead copper, pour order 1000): 1091.05,6230 7471.05,6230 7471.05,950 1101.05,950 1091.05,960 1091.05,6230
GND on Bottom Layer "Top Layer-No Net" (solid, remove dead copper, pour order 1001): 1093.12,6238.93 7473.12,6238.93 7473.12,948.93 1088.12,948.93 1083.12,943.93 1093.12,953.93 1093.12,6238.93

## Keep-outs
Keep-Out Layer:
  circle w12: c7322.83,6110 r62.99
  circle w12: c1242.01,6110 r62.99
  circle w12: c1242.01,1055 r62.99
  circle w12: c7322.83,1055 r62.99
  lines w10: 1100,945 1100,6235 7480,6235 7480,945 1100,945

## Silkscreen, mask and mechanical layers (free items; w line width, h text height)
Top Overlay:
  circle w20: c5037.76,1950.79 r15.32
  circle w30: c5278.07,2140 r26.93
  circle w20: c6428.82,1515 r11.18
  circle w40: c6395,2970 r20
  circle w40: c4601.08,2955 r20
  circle w40: c2921.08,2955 r20
  circle w30: c2550,3490 r15
  circle w30: c2175,3410 r15
  circle w30: c3060,3415 r15
  circle w30: c3455,3490 r15
  circle w30: c4015,3415 r15
  circle w30: c4405,3490 r15
  circle w30: c4985,3415 r15
  circle w30: c5370,3490 r15
  circle w30: c5885,3415 r15
  circle w30: c6290,3490 r15
  circle w30: c6755,3410 r15
  circle w30: c7190,3490 r15
  circle w30: c7170,4185 r15
  circle w30: c6755,4115 r15
  circle w30: c6290,4170 r15
  circle w30: c5885,4110 r15
  circle w30: c5390,4170 r15
  circle w30: c4985,4110 r15
  circle w30: c4425,4185 r15
  circle w30: c4015,4110 r15
  circle w30: c3490,4190 r15
  circle w30: c3060,4110 r15
  circle w30: c2545,4185 r15
  circle w30: c2175,4110 r15
  circle w30: c2175,4790 r15
  circle w30: c2590,4885 r15
  circle w30: c3060,4795 r15
  circle w30: c3485,4890 r15
  circle w30: c4015,4790 r15
  circle w30: c4430,4885 r15
  circle w30: c4985,4790 r15
  circle w30: c5365,4885 r15
  circle w30: c5885,4790 r15
  circle w30: c6285,4885 r15
  circle w30: c6755,4790 r15
  circle w30: c7170,4885 r15
  circle w30: c6755,5490 r15
  circle w30: c7115,5585 r15
  circle w30: c6250,5580 r15
  circle w30: c5885,5495 r15
  circle w30: c4985,5495 r15
  circle w30: c5365,5585 r15
  circle w30: c4430,5585 r15
  circle w30: c4015,5495 r15
  circle w30: c3470,5590 r15
  circle w30: c3060,5495 r15
  circle w30: c2550,5585 r15
  circle w30: c2175,5490 r15
  text "RST" at 6135,2200 h60
  text "LCD" at 5615,990 h60
  text "SWD" at 6250,985 h60
  text "ISP" at 6845,985 h60

## Text inside footprints (layer, text, board x,y; h text height)
J1: Top Overlay "6" at 1175.87,2196.73 h59.06 r90; Top Overlay "9" at 1175.87,2523.9 h59.06 r90; Top Overlay "5" at 1545.94,2578.43 h59.06 r90; Top Overlay "1" at 1545.94,2152.05 h59.06 r90
LD0: Top Overlay "+" at 2853.5,1815 h78.74 r180
LS1: Top Overlay "+" at 6850,2750 h80 r270
S_1_C1: Mechanical 1 "PRINT" at 4940,990 h60